# Altium PCB UMTK.PcbDoc (part 2 of 2)
Units mil, origin at the board's own origin, x right, y up, seen from the top; angles counter-clockwise.
Board outline 8464.57 x 3937.01 mil, 2 copper layers (Top Layer, Bottom Layer); 100 components, 119 nets, 418 pads, 98 vias.
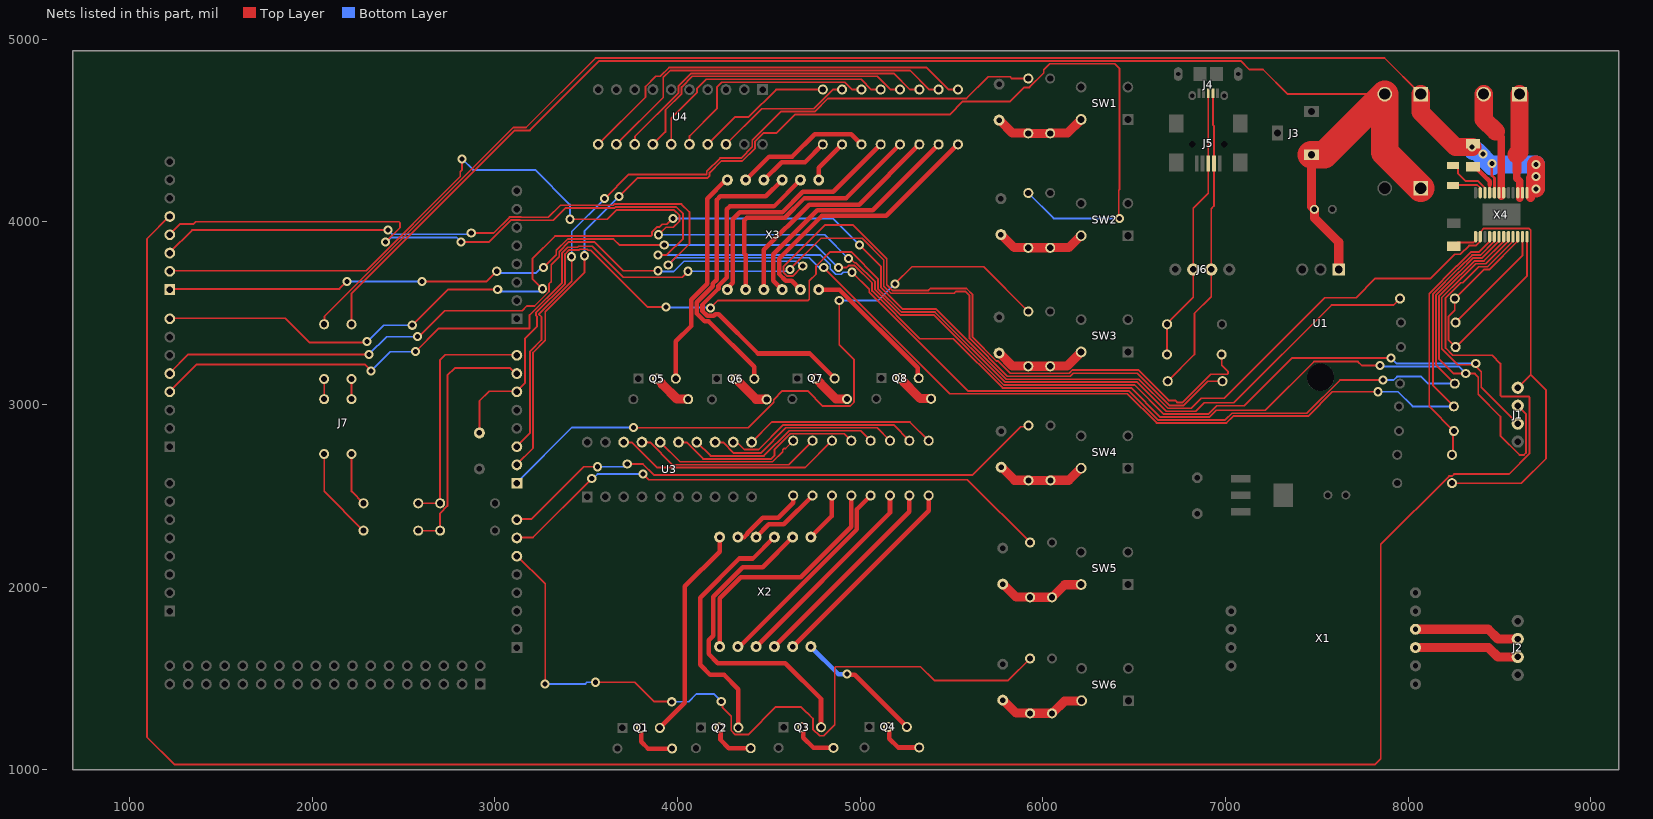
[diagram p2: the nets of this part, all layers, seen from the top]

## Via types
v1: diameter 50, hole 28, Top Layer to Bottom Layer, 79 vias
v2: diameter 19.68, hole 7.87, Top Layer to Bottom Layer, 15 vias
v3: diameter 118.11, hole 118.11, Top Layer to Bottom Layer, 4 vias

## Nets (pads, with @x,y where several pads share a name; then routed paths per layer and width w, separated by ;. In a path a pad name is that pad's centre, name@x,y a point inside that pad or via, vN(x,y) a via of type N, cw(c..) or ccw(c..) an arc to the next point about the centre after c; other vN are vias at no path point) (continued)
LCS+: J2.3 X1.4 | length 582
  Top Layer w50: X1.4@8040,1770 8438.39,1770 8491.54,1716.85 J2.3@8600,1716.85
LCS-: J2.2 X1.3 | length 581.4
  Top Layer w50: X1.3@8040,1670 8439.96,1670 8491.54,1618.43 J2.2@8600,1618.43
M_DISABLE: J1.1 J7.7 R55.1 X4.2 | length 10877.3
  Top Layer w10: J7.7@1220,3473.34 1851.66,3473.34 1985,3340 2300,3340 v1(2300,3345) ; v1(2547.3,3435) 2742.3,3630 v1(3015,3630) ; v1(3260,3634.28) 3205,3689.28 3205,3799.14 3328.86,3923 3853.14,3923 3859,3928.86 3859,3944.91 3887.43,3973.34 3901.16,3973.34 3915.19,3987.37 3941.65,3987.37 v1(3974.27,4020) ; v1(4995,3875) 5112.99,3757.01 5112.99,3642.29 5231.99,3523.29 5415.51,3523.29 5799.36,3139.44 6525.56,3139.44 6684.91,2980.09 6811.76,2980.09 6866.67,3035 6993.51,3035 7543.51,3585 7715,3585 7820.81,3690.81 8122.57,3690.81 8255.27,3823.5 8286.02,3823.5 8333.52,3871 8371.05,3871 8389.11,3889.06 8389.11,3889.46 8394.84,3895.2 X4.2@8394.84,3919.92 8394.84,3944.65 8400.57,3950.38 8400.57,3950.78 8414.79,3965 8660,3965 8670.61,3954.39 8670.61,3163.33 ; R55.1@8240,2570 8620,2570 8755,2705 8755,3078.94 8670.61,3163.33 ; J1.1@8600,3092.72 8670.61,3163.33
  Bottom Layer w10: v1(2300,3345) 2390,3435 v1(2547.3,3435) ; v1(3015,3630) 3025,3620 3245.72,3620 v1(3260,3634.28) ; v1(3974.27,4020) 4850,4020 v1(4995,3875)
M_EN/IN1: J1.2 J7.8 X4.7 | length 9763.1
  Top Layer w10: J7.8@1220,3633.34 2148.34,3633.34 v1(2190,3675) ; v1(2600,3673.34) 2953.34,3673.34 v1(3010,3730) ; v1(3265,3750) 3335.74,3820.74 3335.74,3844.53 3398.21,3907 3648.61,3907 3682.28,3873.34 v1(3926.89,3873.34) ; v1(4880,3750) 4924.87,3750 4935.87,3761 4969.91,3761 5064.99,3665.92 5064.99,3622.41 5326.48,3360.92 5510,3360.92 5779.48,3091.44 6482.56,3091.44 6641.91,2932.09 6911.46,2932.09 6948.38,2969 7217.93,2969 7484.38,3235.45 7724.55,3235.45 7745.63,3214.37 v1(7845,3214.37) ; X4.7@8522.8,3919.92 8522.8,3895.2 8517.06,3889.46 8517.06,3889.06 8415.09,3787.09 8363.2,3787.09 8287.44,3711.32 8286.06,3711.32 8168,3593.27 8168,3252 8250,3170 v1(8315,3170) 8365,3170 8384,3151 8384,3056 8505,2935 8505,2829.57 8609.57,2725 8634.14,2725 8644.46,2735.32 8644.46,2949.83 J1.2@8600,2994.3
  Bottom Layer w10: v1(2190,3675) 2598.34,3675 v1(2600,3673.34) ; v1(3010,3730) 3020,3720 3224.18,3720 3254.18,3750 v1(3265,3750) ; v1(3926.89,3873.34) 4756.66,3873.34 v1(4880,3750) ; v1(7845,3214.37) 7850.37,3209 8276,3209 v1(8315,3170)
M_FAULT: J7.12 X4.9 | length 13707.3
  Top Layer w10: J7.12@1220,4033.34 1095,3908.34 1095,1180 1244.38,1030.62 7819.76,1030.62 7850,1060.86 7850,2234.53 8224.03,2608.56 8240,2608.56 8251.44,2620 8551.77,2620 8665,2733.23 8665,3039.14 8659.14,3045 8510.86,3045 8505,3050.86 8505,3225 8460,3270 8245,3270 8205,3310 8205,3585.01 8287.49,3667.51 8298.54,3667.51 8386.12,3755.09 8434.27,3755.09 8568.24,3889.06 8568.24,3889.46 8573.98,3895.2 X4.9@8573.98,3919.92
M_ISENS: C13.1 J7.A2 R50.1 | length 6842.1
  Top Layer w10: C13.1@2915,2845 2915,3020 2968.34,3073.34 3120,3073.34 3164,3117.34 3164,3360 3230,3426 3230,3483.38 3224.26,3489.12 3224.26,3502.37 3383.74,3661.85 3383.74,3672.87 3384,3673.13 3384,3824.91 3405.09,3846 3459.13,3846 3464.13,3851 3504.91,3851 3510.91,3845 3525,3845 3835,3535 v1(3936.37,3535) ; v1(4179.66,3530) 4219.66,3570 4714.46,3570 4720.31,3575.86 4720.31,3677.59 4757.73,3715 4757.73,3758.64 4835.09,3836 4949.91,3836 5096.99,3688.92 5096.99,3635.66 5225.36,3507.29 5408.88,3507.29 5792.73,3123.44 6516.56,3123.44 6675.91,2964.09 6837.5,2964.09 6883.41,3010 7045,3010 7580,3545 7919.52,3545 R50.1@7955,3580.48
  Bottom Layer w10: v1(3936.37,3535) 3938.87,3532.5 4177.16,3532.5 v1(4179.66,3530)
M_ITRIP: J7.10 R54.1 X4.5 | length 9267.3
  Top Layer w10: J7.10@1220,3833.34 1342.08,3955.42 v1(2415,3955.42) ; v1(2870,3939.79) 2993.16,3939.79 3079.9,4026.53 3143.41,4026.53 3143.94,4026 3293,4026 3358.88,4091.88 3646.62,4091.88 3652.75,4098 4021.14,4098 4065,4054.14 4065,3881 v1(3949,3765) ; v1(4800,3750) 5490.56,3059.44 6462.93,3059.44 6622.29,2900.09 7005.09,2900.09 7042,2937 7451.8,2937 7585.16,3070.36 v1(7835,3070.36) ; R54.1@8250,2990.48 8136,3104.48 8136,3606.52 8272.8,3743.32 8274.19,3743.32 8349.95,3819.09 8395.91,3819.09 8465.88,3889.06 8465.88,3889.46 8471.61,3895.2 X4.5@8471.61,3919.92
  Bottom Layer w10: v1(2415,3955.42) 2437.08,3933.34 2863.55,3933.34 v1(2870,3939.79) ; v1(3949,3765) 3988,3804 4721,3804 4775,3750 v1(4800,3750) ; v1(7835,3070.36) 7944.19,3070.36 8024.07,2990.48 R54.1@8250,2990.48
M_OL: J7.11 R53.1 X4.6 | length 9388.4
  Top Layer w10: J7.11@1220,3933.34 1276.48,3989.81 1350,3989.81 1361.04,4000.86 2474.14,4000.86 2480,3995 2480,3969.51 2400.49,3890 v1(2400,3890) ; v1(2815,3890) 2966,3890 3086.53,4010.53 3136.79,4010.53 3137.31,4010 3320,4010 3385.88,4075.88 3653.25,4075.88 3659.37,4082 3992.14,4082 4030,4044.14 4030,3909.09 3940.91,3820 v1(3891.69,3820) ; v1(4955,3725) 5048.99,3631.01 5048.99,3615.78 5589.33,3075.44 6469.56,3075.44 6628.91,2916.09 6998.46,2916.09 7035.37,2953 7445.17,2953 7627.17,3135 v1(7861.34,3135) ; R53.1@8255,3115 8152,3218 8152,3599.9 8279.43,3727.32 8280.81,3727.32 8356.58,3803.09 8405.5,3803.09 8491.47,3889.06 8491.47,3889.46 8497.2,3895.2 X4.6@8497.2,3919.92
  Bottom Layer w10: v1(2400,3890) 2406.57,3890 2431.57,3915 2790,3915 v1(2815,3890) ; v1(3891.69,3820) 4780.91,3820 4836,3764.91 4836,3743.09 4865.09,3714 4894.91,3714 4905.91,3725 v1(4955,3725) ; v1(7861.34,3135) 7920.47,3135 7939.03,3153.56 8071.63,3153.56 8110.19,3115 R53.1@8255,3115
M_PH/IN2: J1.3 J7.9 X4.8 | length 9978.8
  Top Layer w10: J7.9@1220,3733.34 2294.25,3733.34 2810,4249.09 2810,4276 2820,4286 v1(2820,4345) ; v1(3410,4015) 3615,4015 3666,4066 3980,4066 4010.27,4035.73 4010.27,4005.09 3976.56,3971.37 3936.37,3971.37 v1(3895,3930) ; v1(4935,3800) 4945.57,3800 4968.57,3777 4976.54,3777 5080.99,3672.55 5080.99,3629.04 5218.73,3491.29 5402.26,3491.29 5786.11,3107.44 6502.56,3107.44 6661.91,2948.09 6904.84,2948.09 6950.75,2994 7101.37,2994 7362.37,3255 v1(7906.15,3255) ; v1(8370,3225) 8363,3218 v1@8362,3218 ; X4.8@8548.39,3919.92 8548.39,3895.2 8542.65,3889.46 8542.65,3889.06 8424.68,3771.09 8369.83,3771.09 8294.07,3695.32 8292.68,3695.32 8184,3586.64 8184,3306 8272,3218 v1@8362,3218 ; J1.3@8600,2895.87 8400,3095.87 8400,3180 v1@8362,3218
  Bottom Layer w10: v1(2820,4345) 2880,4285 3220,4285 3410,4095 v1(3410,4015) ; v1(3895,3930) 4805,3930 v1(4935,3800) ; v1(7906.15,3255) 7936.15,3225 v1(8370,3225)
M_SLEEP: R48.2 X4.11 | length 621.2
  Top Layer w10: R48.2@8260,3450 8625.16,3815.16 X4.11@8625.16,3919.92
NetC4_1: C4.1 R25.2 R27.1 SW1.2 | length 510.7
  Top Layer w50: C4.1@5760,4557.45 5762.71,4557.45 5833.77,4486.39 5919.02,4486.39 R27.1@5920,4485.41 R25.2@6040,4485.41 6040.98,4486.39 6134.37,4486.39 SW1.2@6209.4,4561.42
NetC5_1: C5.1 R30.2 R31.1 SW2.2 | length 496.6
  Top Layer w50: C5.1@5770,3930.79 5772.71,3930.79 5843.77,3859.73 5919.02,3859.73 R31.1@5920,3858.75 R30.2@6040,3858.75 6040.98,3859.73 6141.77,3859.73 6206.95,3924.91 SW2.2@6209.4,3924.91
NetC6_1: C6.1 R36.2 R39.1 SW3.2 | length 511.7
  Top Layer w50: C6.1@5760,3282.04 5762.71,3282.04 5833.77,3210.98 5919.02,3210.98 R39.1@5920,3210 R36.2@6040,3210 6040.98,3210.98 6131.98,3210.98 SW3.2@6209.4,3288.4
NetC7_1: C7.1 R42.2 R43.1 SW4.2 | length 495.5
  Top Layer w50: C7.1@5771.29,2657.45 5774,2657.45 5845.06,2586.39 5920.31,2586.39 R43.1@5921.29,2585.41 R42.2@6041.29,2585.41 6042.27,2586.39 6141.45,2586.39 6206.95,2651.89 SW4.2@6209.4,2651.89
NetC8_1: C8.1 R44.2 R46.1 SW5.2 | length 488.2
  Top Layer w50: C8.1@5780,2017.45 5782.71,2017.45 5853.77,1946.39 5929.02,1946.39 R46.1@5930,1945.41 R44.2@6050,1945.41 6051.39,1945.41 6119.62,2013.64 6207.66,2013.64 SW5.2@6209.4,2015.38
NetC9_1: C9.1 R45.2 R47.1 SW6.2 | length 490.4
  Top Layer w50: C9.1@5780,1382.04 5782.71,1382.04 5853.77,1310.98 5929.02,1310.98 R47.1@5930,1310 R45.2@6050,1310 6051.39,1310 6118.52,1377.13 6210.31,1377.13 SW6.2@6212.05,1378.87
NetC10_2: C10.2 X4.1 | length 153.2
  Top Layer w10: C10.2@8250,3867.01 8271.57,3888.58 8358.46,3888.58 8369.25,3899.37 X4.1@8369.25,3919.92
NetC11_2: C11.2 X4.21 | length 187
  Top Layer w15: X4.21@8446.02,4160.08 8446.02,4205
  Top Layer w25: C11.2@8355,4303.01 8365.83,4303.01 8415.26,4253.58 8415.26,4253.08 8446.02,4222.31 8446.02,4205
NetC12_1: C12.1 X4.23 | length 183.3
  Top Layer w10: C12.1@8245,4199.88 8247.69,4202.57 8377.48,4202.57 8393.37,4186.69 8393.37,4161.56 X4.23@8394.84,4160.08
NetC12_2: C12.2 X4.22 | length 271.2
  Top Layer w10: C12.2@8245,4310.12 8259.76,4310.12 8273.46,4296.42 8273.46,4264.19 8313.04,4224.61 8381.03,4224.61 8418.96,4186.69 8418.96,4161.56 X4.22@8420.43,4160.08
NetJ7_D3: J7.3 R26.2 | length 7095.3
  Top Layer w10: J7.3@1220,3073.34 1366.66,3220 2287.11,3220 v1(2322.11,3185) ; v1(2565,3290) 2692.13,3417.13 3190,3417.13 3190,3490.74 3367.74,3668.48 3367.74,3831.28 3398.46,3862 3452.5,3862 3457.5,3867 3533,3867 3702.66,3697.34 4025.21,3697.34 v1(4057.87,3730) ; v1(4615,3740) 4615,3740.91 4785.09,3911 5009.91,3911 5128.99,3791.92 5128.99,3648.92 5168.46,3609.45 5513.7,3609.45 5524.25,3620 5575,3620 5599,3596 5599,3362.43 5805.99,3155.44 6149.98,3155.44 6165.98,3171.44 6516.93,3171.44 6692.29,2996.09 6771.54,2996.09 6903.61,3128.15 R26.2@6983.46,3128.15
  Bottom Layer w10: v1(2322.11,3185) 2427.11,3290 v1(2565,3290) ; v1(4057.87,3730) 4605,3730 v1(4615,3740)
NetJ7_D4: J7.4 R28.1 | length 7502
  Top Layer w10: J7.4@1220,3173.34 1321.66,3275 v1(2310,3275) ; v1(2575,3372.08) 2583.32,3372.08 2725.1,3513.87 3148.87,3513.87 3175,3540 3216.63,3540 3296,3619.37 3296,3661 3307.85,3672.85 3307.85,3765.12 3351.74,3809 3351.74,3837.9 3404.83,3891 3544,3891 3701.66,3733.34 v1(3891.69,3733.34) ; v1@4683.21,3740 v1@4683.21,3750.89 ; v1(4685,3760) 4683.21,3758.21 v1@4683.21,3750.89 ; R28.1@6978.87,3274.84 6978.87,3216.13 7014.15,3180.85 7014.15,3172.57 7008.29,3166.71 6919.54,3166.71 6764.91,3012.09 6735.09,3012.09 6724.34,3022.83 6688.17,3022.83 6521,3190 6161.91,3190 6143.35,3171.44 5821.19,3171.44 5754.44,3238.18 5745.87,3238.18 5615,3369.06 5615,3602.63 5581.63,3636 5383.64,3636 5373.08,3625.45 5175.09,3625.45 5144.99,3655.55 5144.99,3798.55 4959.46,3984.08 4808.17,3984.08 4579,3754.91 4579,3725.09 4600.09,3704 4629.91,3704 4676.81,3750.89 v1@4683.21,3750.89
  Bottom Layer w10: v1(2310,3275) 2407.08,3372.08 v1(2575,3372.08) ; v1(3891.69,3733.34) 3896.02,3729 3979,3729 4035,3785 4653.43,3785 4678.43,3760 v1(4685,3760)
NetQ1_2: Q1.2 R1.2 | length 260.9
  Top Layer w25: Q1.2@3800.14,1230 3800.14,1154.86 3837.82,1117.18 R1.2@3970.28,1117.18
NetQ1_3: Q1.3 X2.12 | length 1180.7
  Top Layer w25: Q1.3@3902.5,1230 4040,1367.5 4040,2005 4230,2195 X2.12@4230,2275
NetQ2_2: Q2.2 R2.2 | length 253.2
  Top Layer w25: Q2.2@4230.14,1231.83 4235,1226.97 4235,1165 4280.99,1119.01 R2.2@4400.28,1119.01
NetQ2_3: Q2.3 X2.9 | length 1386.8
  Top Layer w25: Q2.3@4332.5,1231.83 4332.5,1442.5 4255,1520 4179.64,1520 4123,1576.64 4123,1943.31 4337.26,2157.57 4412.57,2157.57 X2.9@4530,2275
NetQ3_2: Q3.2 R7.2 | length 247.2
  Top Layer w25: Q3.2@4682.92,1233.81 4688.69,1228.04 4688.69,1176.31 4744.02,1120.98 R7.2@4853.06,1120.98
NetQ3_3: Q3.3 X2.8 | length 1767.1
  Top Layer w25: X2.8@4630,2275 4465.57,2110.57 4356.73,2110.57 4195,1948.84 4195,1735 4170,1710 4170,1635 4220,1585 4590,1585 4785.28,1389.71 Q3.3@4785.28,1233.81
NetQ4_2: Q4.2 R12.2 | length 251.1
  Top Layer w25: Q4.2@5152.92,1235.5 5158.69,1229.73 5158.69,1171.31 5207.33,1122.67 R12.2@5323.06,1122.67
NetQ4_3: Q4.3 X2.6 | length 707.3
  Top Layer w25: v1(4927.02,1525) 4931.8,1520.22 4970.56,1520.22 Q4.3@5255.28,1235.5
  Bottom Layer w25: X2.6@4730,1675 4880,1525 v1(4927.02,1525)
NetQ5_2: Q5.2 R13.2 | length 218.7
  Top Layer w50: Q5.2@3887.73,3142.54 3887.73,3141.15 3915.53,3113.35 3915.53,3111.65 3996.49,3030.69 4056.89,3030.69 R13.2@4057.87,3029.71
NetQ5_3: Q5.3 X3.12 | length 1209.4
  Top Layer w25: Q5.3@3990.09,3142.54 3990.09,3346.57 4074.16,3430.64 4074.16,3573.7 4162.02,3661.56 4162.02,4127.88 4264.15,4230 X3.12@4272.52,4230
NetQ6_2: Q6.2 R15.2 | length 216.9
  Top Layer w50: Q6.2@4317.73,3141.49 4429.57,3029.64 4486.89,3029.64 R15.2@4487.87,3028.66
NetQ6_3: Q6.3 X3.9 | length 1572
  Top Layer w25: Q6.3@4420.09,3141.49 4420.09,3206.55 4171.13,3455.5 4148.8,3455.5 4105.16,3499.14 4105.16,3560.86 4193.02,3648.72 4193.02,3662.93 4213.33,3683.24 4213.33,4120.7 4233.64,4141.01 4483.53,4141.01 X3.9@4572.52,4230
NetQ7_2: Q7.2 R19.2 | length 218.7
  Top Layer w50: Q7.2@4757.73,3143.17 4757.73,3141.78 4785.53,3113.98 4785.53,3112.28 4866.49,3031.32 4926.89,3031.32 R19.2@4927.87,3030.34
NetQ7_3: Q7.3 X3.8 | length 1965.4
  Top Layer w25: X3.8@4672.52,4230 4527.52,4085 4284.64,4085 4270,4070.36 4270,3696.07 4224.02,3650.09 4224.02,3635.88 4136.16,3548.02 4136.16,3511.98 4161.64,3486.5 4197.68,3486.5 4205.23,3494.05 4225.94,3494.05 4439.99,3280 4723.26,3280 Q7.3@4860.09,3143.17
NetQ8_2: Q8.2 R24.2 | length 216.9
  Top Layer w50: Q8.2@5217.73,3145 5329.57,3033.16 5386.89,3033.16 R24.2@5387.87,3032.18
NetQ8_3: Q8.3 X3.6 | length 778.6
  Top Layer w25: X3.6@4772.52,3630 4886.52,3630 5314.33,3202.19 5314.33,3150.76 Q8.3@5320.09,3145
NetR3_1: R3.1 X2.7 | length 275.1
  Top Layer w25: X2.7@4730,2275 4845,2390 R3.1@4845,2502.45
NetR3_2: R3.2 U3.18 | length 1259.1
  Top Layer w10: U3.18@3705,2795 3706.84,2793.16 3749.53,2793.16 3887.69,2655 4697.55,2655 R3.2@4845,2802.45
NetR4_1: R4.1 X2.10 | length 403.3
  Top Layer w25: X2.10@4430,2275 4500,2345 4581.59,2345 R4.1@4739.04,2502.45
NetR4_2: R4.2 U3.17 | length 1039.9
  Top Layer w10: U3.17@3805,2795 3806.84,2793.16 3849.53,2793.16 3971.69,2671 4607.59,2671 R4.2@4739.04,2802.45
NetR5_1: R5.1 X2.11 | length 422.6
  Top Layer w25: X2.11@4330,2275 4365,2275 4381.5,2291.5 4381.5,2295.09 4466.41,2380 4550.23,2380 4633.09,2462.86 R5.1@4633.09,2502.45
NetR5_2: R5.2 U3.16 | length 827.2
  Top Layer w10: U3.16@3905,2795 4013,2687 4519.63,2687 4575.56,2742.93 4575.56,2754.14 4581.42,2760 4590.64,2760 R5.2@4633.09,2802.45
NetR6_1: R6.1 X2.1 | length 1319.4
  Top Layer w25: X2.1@4230,1675 4230,1940 4345,2055 4675,2055 4950.95,2330.95 R6.1@4950.95,2502.45
NetR6_2: R6.2 U3.15 | length 1077
  Top Layer w10: U3.15@4005,2795 4006.84,2793.16 4049.53,2793.16 4139.69,2703 4513,2703 4530,2720 4530,2753.89 4617.11,2841.01 4912.39,2841.01 R6.2@4950.95,2802.45
NetR8_1: R8.1 X2.2 | length 1133.7
  Top Layer w25: X2.2@4330,1675 4338.84,1675 4981.95,2318.11 4981.95,2427.49 R8.1@5056.91,2502.45
NetR8_2: R8.2 U3.14 | length 1063.2
  Top Layer w10: U3.14@4105,2795 4181,2719 4472.48,2719 4610.49,2857.01 5002.35,2857.01 R8.2@5056.91,2802.45
NetR9_1: R9.1 X2.3 | length 1131
  Top Layer w25: X2.3@4430,1675 5162.86,2407.86 R9.1@5162.86,2502.45
NetR9_2: R9.2 U3.13 | length 1069.1
  Top Layer w10: U3.13@4205,2795 4206.84,2793.16 4249.53,2793.16 4307.69,2735 4455,2735 4593.01,2873.01 5092.3,2873.01 R9.2@5162.86,2802.45
NetR10_1: R10.1 X2.4 | length 1133.5
  Top Layer w25: X2.4@4530,1675 5268.82,2413.82 R10.1@5268.82,2502.45
NetR10_2: R10.2 U3.12 | length 1072.2
  Top Layer w10: U3.12@4305,2795 4314.39,2785.61 4333.33,2785.61 4364.47,2754.47 4444.47,2754.47 4579.01,2889.01 5182.26,2889.01 R10.2@5268.82,2802.45
NetR11_1: R11.1 X2.5 | length 1135.9
  Top Layer w25: X2.5@4630,1675 5374.77,2419.77 R11.1@5374.77,2502.45
NetR11_2: R11.2 U3.11 | length 1057.8
  Top Layer w10: U3.11@4405,2795 4515.01,2905.01 5272.21,2905.01 R11.2@5374.77,2802.45
NetR14_1: R14.1 X3.7 | length 248.1
  Top Layer w25: X3.7@4772.52,4230 4773.18,4230.66 4773.18,4297.5 R14.1@4900.68,4425
NetR14_2: R14.2 U4.18 | length 759.9
  Top Layer w10: U4.18@4265,4425 4460.25,4620.25 4744.79,4620.25 4849.53,4725 R14.2@4900.68,4725
NetR16_1: R16.1 X3.10 | length 403.2
  Top Layer w25: X3.10@4472.52,4230 4569.87,4327.35 4697.35,4327.35 R16.1@4795,4425
NetR16_2: R16.2 U4.17 | length 754.3
  Top Layer w10: U4.17@4165,4425 4315.38,4575.38 4389.99,4575.38 4539.61,4725 R16.2@4795,4725
NetR17_1: R17.1 X3.11 | length 760.2
  Top Layer w25: X3.11@4372.52,4230 4500.87,4358.35 4628.35,4358.35 4750,4480 4951.36,4480 R17.1@5006.36,4425
NetR17_2: R17.2 U4.16 | length 1195
  Top Layer w10: U4.16@4065,4425 4065,4470.25 4215,4620.25 4215,4738.58 4241.95,4765.53 4914.68,4765.53 4955.21,4725 R17.2@5006.36,4725
NetR18_1: R18.1 X3.1 | length 1377.7
  Top Layer w25: X3.1@4272.52,3630 4272.52,3639.47 4301,3667.95 4301,4015 4340,4054 4574,4054 4685,4165 4852.04,4165 R18.1@5112.04,4425
NetR18_2: R18.2 U4.15 | length 1414.8
  Top Layer w10: U4.15@3965,4425 3965,4567.69 4105.53,4708.21 4105.53,4730.53 4156.53,4781.53 5004.37,4781.53 5060.89,4725 R18.2@5112.04,4725
NetR20_1: R20.1 X3.2 | length 1406.8
  Top Layer w25: X3.2@4372.52,3630 4372.52,3820.15 4365,3827.67 4365,4008.36 4379.64,4023 4586.84,4023 4694.92,4131.08 4923.81,4131.08 R20.1@5217.73,4425
NetR20_2: R20.2 U4.14 | length 1629.2
  Top Layer w10: U4.14@3865,4425 3933,4493 3933,4613.06 4021.53,4701.59 4021.53,4738.84 4080.21,4797.53 5094.05,4797.53 5166.58,4725 R20.2@5217.73,4725
NetR21_1: R21.1 X3.3 | length 1307.6
  Top Layer w25: X3.3@4472.52,3630 4472.52,3847.52 4720.31,4095.31 4993.72,4095.31 R21.1@5323.41,4425
NetR21_2: R21.2 U4.13 | length 1802.8
  Top Layer w10: U4.13@3765,4425 3766.84,4426.84 3766.84,4469.53 4005.53,4708.21 4005.53,4745.47 4073.59,4813.53 5183.73,4813.53 5272.26,4725 R21.2@5323.41,4725
NetR22_1: R22.1 X3.4 | length 1367.1
  Top Layer w25: X3.4@4572.52,3630 4524.5,3678.02 4524.5,3823.5 4765.31,4064.31 5068.4,4064.31 R22.1@5429.09,4425
NetR22_2: R22.2 U4.12 | length 2039.4
  Top Layer w10: U4.12@3665,4425 3921.53,4681.53 3921.53,4791.53 3959.53,4829.53 5273.41,4829.53 5377.94,4725 R22.2@5429.09,4725
NetR23_1: R23.1 X3.5 | length 1474.3
  Top Layer w25: X3.5@4672.52,3630 4624.02,3678.5 4592.35,3678.5 4555.5,3715.35 4555.5,3798.5 4790.31,4033.31 5143.09,4033.31 R23.1@5534.77,4425
NetR23_2: R23.2 U4.11 | length 2227.5
  Top Layer w10: U4.11@3565,4425 3824.47,4684.47 3824.47,4741.79 3880.84,4798.15 3905.53,4798.15 3952.9,4845.53 5363.09,4845.53 5483.62,4725 R23.2@5534.77,4725
NetR32_2: R32.2 R34.1 | length 110
  Top Layer w10: R34.1@2215,3030 R32.2@2215,3140
NetR33_2: R33.2 R35.1 | length 110
  Top Layer w10: R35.1@2065,3030 R33.2@2065,3140
NetR34_2: R34.2 R37.1 | length 296.9
  Top Layer w10: R34.2@2215,2730 2215,2525 R37.1@2280,2460
NetR35_2: R35.2 R38.1 | length 509.1
  Top Layer w10: R35.2@2065,2730 2065,2525 R38.1@2280,2310
NetR49_1: R49.1 R51.1 X4.4 | length 1417.6
  Top Layer w10: R49.1@8240,2725.48 8245,2730.48 8245,2850.48 R51.1@8250,2855.48 8115,2990.48 8115,3608.15 8266.17,3759.32 8267.56,3759.32 8343.32,3835.09 8386.32,3835.09 8440.29,3889.06 8440.29,3889.46 8446.02,3895.2 X4.4@8446.02,3919.92
NetR50_2: R50.2 R52.1 X4.10 X4.12 | length 1563.1
  Top Layer w10: X4.10@8599.57,3919.92 8598.09,3918.44 8598.09,3893.31 8443.86,3739.09 8413.6,3739.09 R50.2@8255,3580.48 8255,3517.93 8221.44,3484.37 8221.44,3353.56 R52.1@8260,3315 8650.75,3705.75 X4.12@8650.75,3919.92 X4.12@8650,3920.67
SLIDE_CLK: J4.3 J5.3 J6.3 R28.2 R29.1 | length 1523.6
  Top Layer w10: R28.2@6678.87,3274.84 6679.44,3275.4 6679.44,3439.44 R29.1@6680,3440 6680,3445.48 6823.43,3588.91 J6.3@6823.43,3740 6823.43,4074.65 6905.28,4156.5 J5.3@6905.28,4320.26 J4.3@6905.28,4704.69
SLIDE_DAT: J4.2 J5.2 J6.2 R26.1 | length 1683.9
  Top Layer w10: R26.1@6683.46,3128.15 6830,3274.69 6830,3500 6921.85,3591.85 J6.2@6921.85,3740 6921.85,4073.34 6936.77,4088.26 J5.2@6936.77,4320.26 6936.77,4525 6930.87,4530.91 J4.2@6930.87,4704.69
SW_1: J7.A5 R27.2 | length 4197.5
  Top Layer w10: J7.A5@3120,2773.34 3192.34,2845.68 3192.34,3291.63 3255,3354.29 3255,3481 3240.26,3495.75 3420,3675.49 v1(3420,3810) ; v1(3600,4127.88) 3732.56,4260.43 4159.52,4260.43 4159.52,4276.81 4232.72,4350 4347.31,4350 4408.47,4411.16 4408.47,4448.41 4564.31,4604.25 4751.41,4604.25 4823.16,4676 5581,4676 5700.3,4795.3 5820.46,4795.3 5830.35,4785.41 R27.2@5920,4785.41
  Bottom Layer w10: v1(3420,3810) 3420,3947.88 v1(3600,4127.88)
SW_2: J7.A6 R31.2 | length 6173.8
  Top Layer w10: J7.A6@3120,2673.34 3208.34,2761.68 3208.34,3285 3275,3351.66 3275,3507.86 3490,3722.86 v1(3490,3815) ; v1(3680,4140) 3780,4240 4161.72,4240 4175.52,4253.81 4175.52,4270.18 4239.34,4334 4353.94,4334 4424.47,4404.53 4424.47,4441.79 4469.28,4486.59 4539.61,4486.59 4641.27,4588.25 5490.45,4588.25 5562.2,4660 5820.31,4660 5897.38,4737.06 5926.18,4737.06 6005,4815.88 6005,4834.14 6036.86,4866 6394,4866 6420,4840 6420,4178.34 6415,4173.34 6415,4025 v1(6420,4020)
  Bottom Layer w10: v1(3490,3815) 3490,3950 v1(3680,4140) ; R31.2@5920,4158.75 6058.75,4020 v1(6420,4020)
SW_3: J7.A7 R39.2 | length 3910.7
  Top Layer w10: v1(3757.87,2875) 3758.01,2875 3760,2873.01 4386.74,2873.01 4526.43,3012.69 4526.43,3027.43 4574,3075 4711.39,3075 4794.6,2991.78 4943.84,2991.78 4966.43,3014.37 4966.43,3246.06 4885,3327.49 v1(4885,3570) ; v1(5190,3661.45) 5283.47,3754.91 5675.09,3754.91 R39.2@5920,3510
  Bottom Layer w10: J7.A7@3120,2573.34 3421.66,2875 v1(3757.87,2875) ; v1(4885,3570) 5098.55,3570 v1(5190,3661.45)
SW_4: J7.A8 R43.2 | length 3063.1
  Top Layer w10: J7.A8@3120,2373.34 3198.34,2373.34 3485,2660 v1(3561.57,2660) ; v1(3724.02,2675) 3810,2675 3870,2615 5615,2615 5878.73,2878.73 5914.62,2878.73 R43.2@5921.29,2885.41
  Bottom Layer w10: v1(3561.57,2660) 3709.02,2660 v1(3724.02,2675)
SW_5: J7.A9 R46.2 | length 3108.8
  Top Layer w10: J7.A9@3120,2273.34 3208.34,2273.34 v1(3530,2595) ; v1(3810,2620) 3841.33,2588.67 5586.33,2588.67 5610,2565 5610.41,2565 R46.2@5930,2245.41
  Bottom Layer w10: v1(3530,2595) 3536.57,2595 3561.57,2620 v1(3810,2620)
SW_6: J7.A10 R47.2 | length 4224.1
  Top Layer w10: J7.A10@3120,2173.34 3275,2018.34 v1(3275,1470) ; v1(3550,1480) 3765,1480 3870,1375 3966,1375 v1(3968,1373) ; v1(4238.9,1375) 4246.56,1367.35 4246.56,1341.07 4293.94,1293.68 4293.94,1215.86 4316.53,1193.27 4385.65,1193.27 4537.37,1345 4675,1345 4706.69,1313.31 4709.31,1313.31 4741,1281.63 4741,1223.56 4777.25,1187.31 4800,1187.31 4860,1247.31 4860,1559.14 4865.86,1565 5330,1565 5405,1490 5810,1490 R47.2@5930,1610
  Bottom Layer w10: v1(3275,1470) 3493.34,1470 3503.34,1480 v1(3550,1480) ; v1(3968,1373) 4060.37,1373 4103.37,1416 4197.9,1416 v1(4238.9,1375)
Vin: C1.1 J3.1 P1.1 P3.2 R32.1 U1.1 | length 8254.1
  Top Layer w10: R32.1@2215,3440 2215,3608.83 3107.44,4501.28 3191.28,4501.28 3572,4882 7083.91,4882 7130.91,4835 7205,4835 7340,4700 P3.2@7871.57,4700
  Top Layer w50: J3.1@7470,4368.48 7470,4085.58 C1.1@7486.57,4069 7486.57,4022.8 7620,3889.37 U1.1@7620,3740
  Top Layer w150: J3.1@7470,4368.48 7481.81,4368.48 7540.06,4368.48 P3.2@7871.57,4700 7871.57,4381.97 P1.1@8068.43,4185.12
Vin_sens: J7.A0 R37.2 R40.1 | length 1326.7
  Top Layer w10: R37.2@2580,2460 R40.1@2700,2460 2700,3245 2728.34,3273.34 J7.A0@3110,3273.34
VM+: P2.2 X4.18 X4.19 | length 600.1
  Top Layer w40: 8480,4495 8510,4465 8510,4140
  Top Layer w100: P2.2@8413.15,4700 8413.15,4561.85 8480,4495
VM-: P2.1 X4.14 X4.15 | length 582.4
  Top Layer w40: 8595,4280 8595,4239.57 8610,4224.57 8610,4130
  Top Layer w50: 8595,4280 8595,4370
  Top Layer w100: 8595,4370 8610,4385 P2.1@8610,4700
Vmot: C11.1 P3.1 R33.1 X4.13 X4.20 | length 8083.1
  Top Layer w10: R33.1@2065,3440 2066.1,3441.1 2066.1,3482.56 3100.82,4517.28 3170,4517.28 3550.72,4898 7870.43,4898 P3.1@8068.43,4700
  Top Layer w15: v1(8457.99,4320) 8457.99,4254.19 8472.02,4240.15 8472.02,4160.49 X4.20@8471.61,4160.08
  Top Layer w50: 8670,4135 8670,4180.12 8670,4240
  Top Layer w100: P3.1@8068.43,4700 8068.43,4601.57 8260,4410 v1(8350,4410) ; v1@8700,4185.12 v1(8700,4250) v1(8700,4315)
  Bottom Layer w100: v1@8355,4390 8372.99,4390 8457.99,4305 8467.99,4315 v1(8700,4315) v1(8700,4250) v1@8700,4190
  other v1: 8700,4180.12 8410,4371.48
Vmot_sens: J7.A1 R38.2 R41.1 | length 1394.2
  Top Layer w10: R38.2@2580,2310 R41.1@2700,2310 2700,2405.47 2740,2445.47 2740,3160 2780,3200 3083.69,3200 3110.35,3173.34 J7.A1@3120,3173.34
pads on no net: J3.2 J4.4 J5.4 J5.MH1 J5.MH2 J7.0 J7.1 J7.2 J7.3V3 J7.13 J7.14 J7.15 J7.16 J7.17 J7.18 J7.19 J7.20 J7.21 J7.22 J7.23 J7.46 J7.47 J7.48 J7.49 J7.50 J7.51 J7.52 J7.53 J7.100 J7.A3 J7.A4 J7.A11 J7.A12 J7.A13 J7.A14 J7.A15 J7.IOREF J7.REF J7.RST J7.VIN SW1.1 SW1.4 SW2.1 SW2.4 SW3.1 SW3.4 SW4.1 SW4.4 SW5.1 SW5.4 SW6.1 SW6.4 U1.4 X1.5 X1.6
copper on no net:
  other v3: 1220,1720 3120,4720

## Polygon pours and split planes (outlines as drawn)
GND on Bottom Layer "Bottom Layer-GND" (solid, remove dead copper, pour order 28): 8367.99,4120 8367.99,3955 8671.76,3955 8671.76,4120 8370,4120 8370,4119.82
no net on Bottom Layer "Bottom Layer-No Net" (solid, pour order 26): 8645,3982.39
no net on Bottom Layer "Bottom Layer-No Net 1" (solid, pour order 12): 9020,3425
GND on Bottom Layer "Bottom Layer-GND 1" (solid, pour order 0): 1075,4925 1075,1025 8885,1025 8885,4925
Vmot on Top Layer "VMOT_L01_P024" (solid, pour order 24): 8302.92,4347.77 8416.88,4347.77 8416.88,4319.75 8447.13,4289.5 8477.92,4289.5 8477.92,4397.88 8416.31,4459.5 8302.92,4459.5
no net on Top Layer "Top Layer-No Net" (solid, pour order 22): 8404.69,4348.27
no net on Top Layer "Top Layer-No Net 1" (solid, pour order 18): 8345,4445
no net on Top Layer "Top Layer-No Net 2" (solid, pour order 16): 8466.69,4333.34
no net on Top Layer "Top Layer-No Net 3" (solid, pour order 8): 8950,4060
GND on Top Layer "Top Layer-GND" (solid, remove dead copper, pour order 6): 8300,4190 8375,4190 8375,4100 8765,4100 8765,4575 8940,4575 8940,3325 8680,3325 8680,3980 8340,3980 8340,3845 8300,3845

## Keep-outs
Keep-Out Layer:
  lines w10: 690,1000 690,4935 9155,4935 9155,1000 690,1000

## Silkscreen, mask and mechanical layers (free items; w line width, h text height)
Top Overlay:
  text "START" at 6130,4370 h100
  text "REC" at 6219.24,4240 h100
  text "NOT USB PORT" at 6600,4120 h60
  text "USE WITH LIN." at 6600,4020 h60
  text "SCALE ONLY !" at 6600,3919.92 h60
  text "STOP" at 6170,3720 h100
  text "REC" at 6210,3590 h100
  text "FORCE (NEWTONS)" at 3831.08,3360 h120
  text "ZERO" at 6160,3100 h100
  text "JOG" at 6200,2470 h100
  text "UP" at 6246.38,2330 h100
  text "JOG" at 6209.84,1836.66 h100
  text "DOWN" at 6160,1690 h100
  text "DISPLACEMENT (MM)" at 3685,1410 h120
  text "AUX" at 6209.4,1170 h100
Bottom Overlay:
  drawing of 7 lines, arcs and shapes, not listed

## Text inside footprints (layer, text, board x,y; h text height)
J4: Mechanical 1 "PCB EDGE" at 6680.87,4849.37 h39.37 r180
X1: Top Overlay "HX711" at 7430,1674.5 h60; Top Overlay "E+" at 7970.7,1481.61 h40 r180; Top Overlay "E-" at 7970.7,1581.61 h40 r180; Top Overlay "A-" at 7970.7,1681.61 h40 r180; Top Overlay "A+" at 7970.7,1781.61 h40 r180; Top Overlay "B-" at 7970.7,1881.61 h40 r180; Top Overlay "B+" at 7970.7,1981.61 h40 r180; Top Overlay "GND" at 7220.7,1581.61 h40 r180; Top Overlay "DT" at 7220.7,1681.61 h40 r180; Top Overlay "SCK" at 7220.7,1781.61 h40 r180; Top Overlay "VCC" at 7220.7,1881.61 h40 r180
X2: Top Overlay "4 x 7 Segment Display" at 3880,1975 h60
X3: Top Overlay "4 x 7 Segment Display" at 3922.52,3930 h60